# KiCad board panel_r0.1.kicad_pcb (continued)
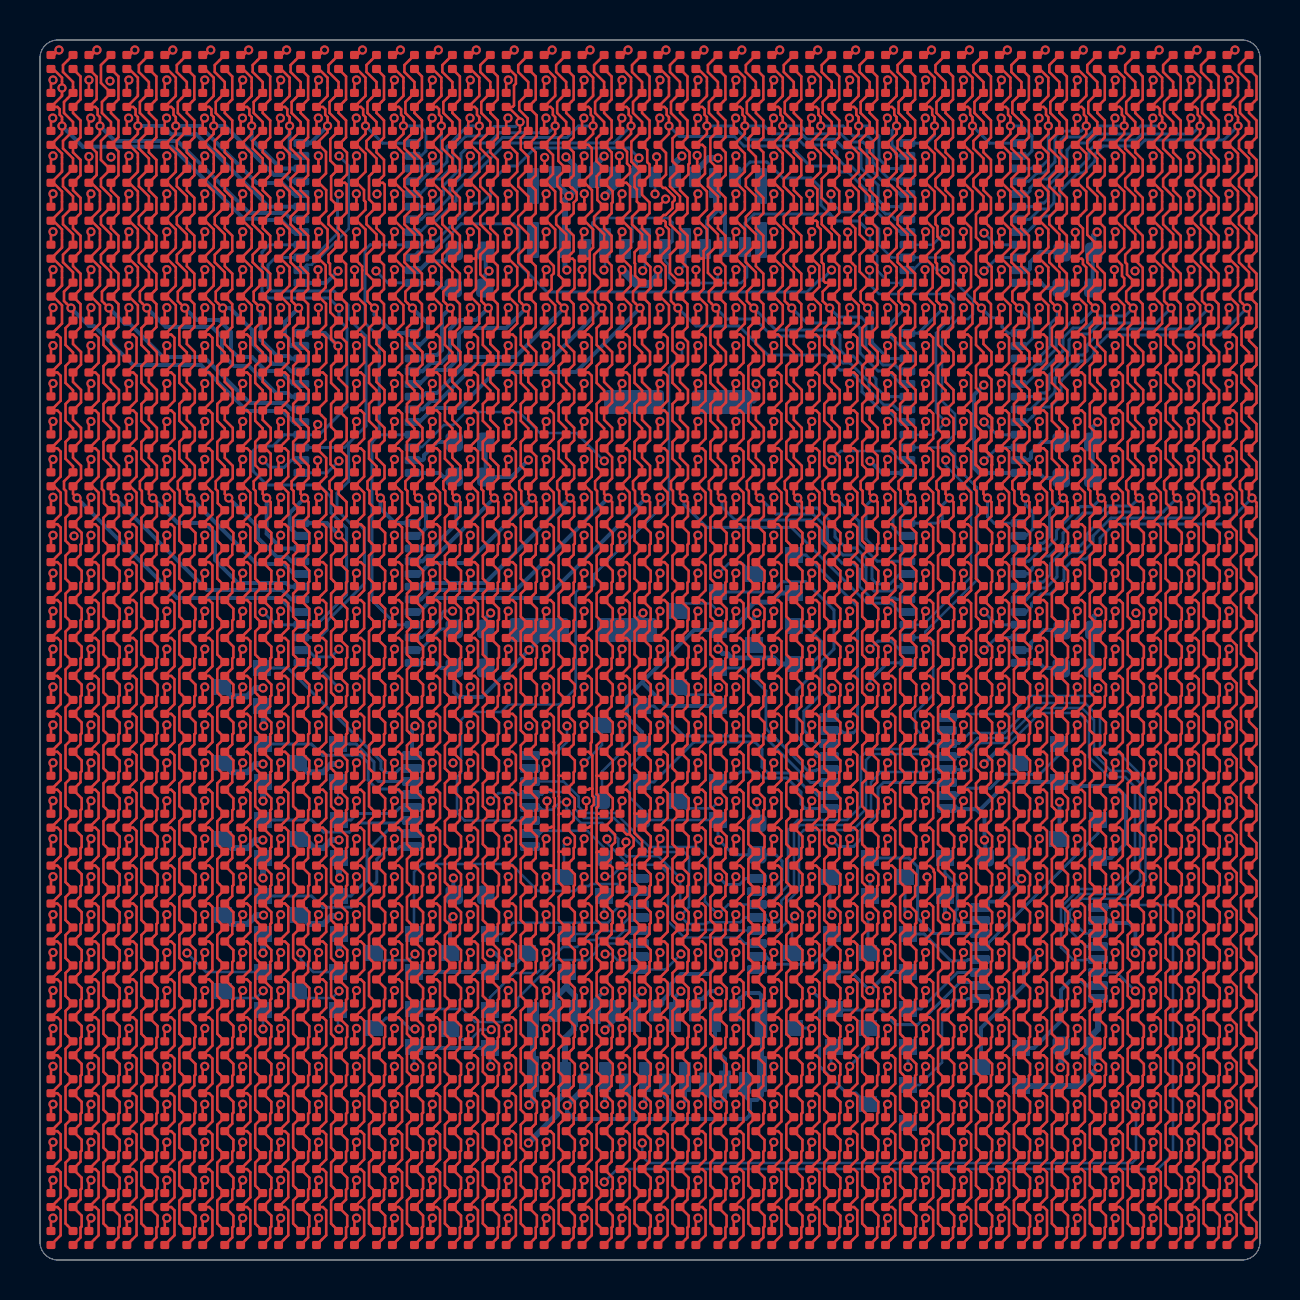
[diagram p0: board, top side]
## Placement (name value [footprint] x y rotation side) (continued)
D369  LED_ARGB  [led_rbag_1515_dense]  31.45 39.04 0 top
D370  LED_ARGB  [led_rbag_1515_dense]  33.35 39.04 0 top
D371  LED_ARGB  [led_rbag_1515_dense]  35.24 39.04 0 top
D372  LED_ARGB  [led_rbag_1515_dense]  37.14 39.04 0 top
D373  LED_ARGB  [led_rbag_1515_dense]  39.04 39.04 0 top
D374  LED_ARGB  [led_rbag_1515_dense]  40.93 39.04 0 top
D375  LED_ARGB  [led_rbag_1515_dense]  42.83 39.04 0 top
D376  LED_ARGB  [led_rbag_1515_dense]  44.73 39.04 0 top
D377  LED_ARGB  [led_rbag_1515_dense]  46.62 39.04 0 top
D378  LED_ARGB  [led_rbag_1515_dense]  48.52 39.04 0 top
D379  LED_ARGB  [led_rbag_1515_dense]  50.42 39.04 0 top
D380  LED_ARGB  [led_rbag_1515_dense]  52.31 39.04 0 top
D381  LED_ARGB  [led_rbag_1515_dense]  54.21 39.04 0 top
D382  LED_ARGB  [led_rbag_1515_dense]  56.11 39.04 0 top
D383  LED_ARGB  [led_rbag_1515_dense]  58 39.04 0 top
D384  LED_ARGB  [led_rbag_1515_dense]  59.9 39.04 0 top
D385  LED_ARGB  [led_rbag_1515_dense]  1.1 37.14 0 top
D386  LED_ARGB  [led_rbag_1515_dense]  3 37.14 0 top
D387  LED_ARGB  [led_rbag_1515_dense]  4.89 37.14 0 top
D388  LED_ARGB  [led_rbag_1515_dense]  6.79 37.14 0 top
D389  LED_ARGB  [led_rbag_1515_dense]  8.69 37.14 0 top
D390  LED_ARGB  [led_rbag_1515_dense]  10.58 37.14 0 top
D391  LED_ARGB  [led_rbag_1515_dense]  12.48 37.14 0 top
D392  LED_ARGB  [led_rbag_1515_dense]  14.38 37.14 0 top
D393  LED_ARGB  [led_rbag_1515_dense]  16.27 37.14 0 top
D394  LED_ARGB  [led_rbag_1515_dense]  18.17 37.14 0 top
D395  LED_ARGB  [led_rbag_1515_dense]  20.07 37.14 0 top
D396  LED_ARGB  [led_rbag_1515_dense]  21.96 37.14 0 top
D397  LED_ARGB  [led_rbag_1515_dense]  23.86 37.14 0 top
D398  LED_ARGB  [led_rbag_1515_dense]  25.76 37.14 0 top
D399  LED_ARGB  [led_rbag_1515_dense]  27.65 37.14 0 top
D400  LED_ARGB  [led_rbag_1515_dense]  29.55 37.14 0 top
D401  LED_ARGB  [led_rbag_1515_dense]  31.45 37.14 0 top
D402  LED_ARGB  [led_rbag_1515_dense]  33.35 37.14 0 top
D403  LED_ARGB  [led_rbag_1515_dense]  35.24 37.14 0 top
D404  LED_ARGB  [led_rbag_1515_dense]  37.14 37.14 0 top
D405  LED_ARGB  [led_rbag_1515_dense]  39.04 37.14 0 top
D406  LED_ARGB  [led_rbag_1515_dense]  40.93 37.14 0 top
D407  LED_ARGB  [led_rbag_1515_dense]  42.83 37.14 0 top
D408  LED_ARGB  [led_rbag_1515_dense]  44.73 37.14 0 top
D409  LED_ARGB  [led_rbag_1515_dense]  46.62 37.14 0 top
D410  LED_ARGB  [led_rbag_1515_dense]  48.52 37.14 0 top
D411  LED_ARGB  [led_rbag_1515_dense]  50.42 37.14 0 top
D412  LED_ARGB  [led_rbag_1515_dense]  52.31 37.14 0 top
D413  LED_ARGB  [led_rbag_1515_dense]  54.21 37.14 0 top
D414  LED_ARGB  [led_rbag_1515_dense]  56.11 37.14 0 top
D415  LED_ARGB  [led_rbag_1515_dense]  58 37.14 0 top
D416  LED_ARGB  [led_rbag_1515_dense]  59.9 37.14 0 top
D417  LED_ARGB  [led_rbag_1515_dense]  1.1 35.24 0 top
D418  LED_ARGB  [led_rbag_1515_dense]  3 35.24 0 top
D419  LED_ARGB  [led_rbag_1515_dense]  4.89 35.24 0 top
D420  LED_ARGB  [led_rbag_1515_dense]  6.79 35.24 0 top
D421  LED_ARGB  [led_rbag_1515_dense]  8.69 35.24 0 top
D422  LED_ARGB  [led_rbag_1515_dense]  10.58 35.24 0 top
D423  LED_ARGB  [led_rbag_1515_dense]  12.48 35.24 0 top
D424  LED_ARGB  [led_rbag_1515_dense]  14.38 35.24 0 top
D425  LED_ARGB  [led_rbag_1515_dense]  16.27 35.24 0 top
D426  LED_ARGB  [led_rbag_1515_dense]  18.17 35.24 0 top
D427  LED_ARGB  [led_rbag_1515_dense]  20.07 35.24 0 top
D428  LED_ARGB  [led_rbag_1515_dense]  21.96 35.24 0 top
D429  LED_ARGB  [led_rbag_1515_dense]  23.86 35.24 0 top
D430  LED_ARGB  [led_rbag_1515_dense]  25.76 35.24 0 top
D431  LED_ARGB  [led_rbag_1515_dense]  27.65 35.24 0 top
D432  LED_ARGB  [led_rbag_1515_dense]  29.55 35.24 0 top
D433  LED_ARGB  [led_rbag_1515_dense]  31.45 35.24 0 top
D434  LED_ARGB  [led_rbag_1515_dense]  33.35 35.24 0 top
D435  LED_ARGB  [led_rbag_1515_dense]  35.24 35.24 0 top
D436  LED_ARGB  [led_rbag_1515_dense]  37.14 35.24 0 top
D437  LED_ARGB  [led_rbag_1515_dense]  39.04 35.24 0 top
D438  LED_ARGB  [led_rbag_1515_dense]  40.93 35.24 0 top
D439  LED_ARGB  [led_rbag_1515_dense]  42.83 35.24 0 top
D440  LED_ARGB  [led_rbag_1515_dense]  44.73 35.24 0 top
D441  LED_ARGB  [led_rbag_1515_dense]  46.62 35.24 0 top
D442  LED_ARGB  [led_rbag_1515_dense]  48.52 35.24 0 top
D443  LED_ARGB  [led_rbag_1515_dense]  50.42 35.24 0 top
D444  LED_ARGB  [led_rbag_1515_dense]  52.31 35.24 0 top
D445  LED_ARGB  [led_rbag_1515_dense]  54.21 35.24 0 top
D446  LED_ARGB  [led_rbag_1515_dense]  56.11 35.24 0 top
D447  LED_ARGB  [led_rbag_1515_dense]  58 35.24 0 top
D448  LED_ARGB  [led_rbag_1515_dense]  59.9 35.24 0 top
D449  LED_ARGB  [led_rbag_1515_dense]  1.1 33.35 0 top
D450  LED_ARGB  [led_rbag_1515_dense]  3 33.35 0 top
D451  LED_ARGB  [led_rbag_1515_dense]  4.89 33.35 0 top
D452  LED_ARGB  [led_rbag_1515_dense]  6.79 33.35 0 top
D453  LED_ARGB  [led_rbag_1515_dense]  8.69 33.35 0 top
D454  LED_ARGB  [led_rbag_1515_dense]  10.58 33.35 0 top
D455  LED_ARGB  [led_rbag_1515_dense]  12.48 33.35 0 top
D456  LED_ARGB  [led_rbag_1515_dense]  14.38 33.35 0 top
D457  LED_ARGB  [led_rbag_1515_dense]  16.27 33.35 0 top
D458  LED_ARGB  [led_rbag_1515_dense]  18.17 33.35 0 top
D459  LED_ARGB  [led_rbag_1515_dense]  20.07 33.35 0 top
D460  LED_ARGB  [led_rbag_1515_dense]  21.96 33.35 0 top
D461  LED_ARGB  [led_rbag_1515_dense]  23.86 33.35 0 top
D462  LED_ARGB  [led_rbag_1515_dense]  25.76 33.35 0 top
D463  LED_ARGB  [led_rbag_1515_dense]  27.65 33.35 0 top
D464  LED_ARGB  [led_rbag_1515_dense]  29.55 33.35 0 top
D465  LED_ARGB  [led_rbag_1515_dense]  31.45 33.35 0 top
D466  LED_ARGB  [led_rbag_1515_dense]  33.35 33.35 0 top
D467  LED_ARGB  [led_rbag_1515_dense]  35.24 33.35 0 top
D468  LED_ARGB  [led_rbag_1515_dense]  37.14 33.35 0 top
D469  LED_ARGB  [led_rbag_1515_dense]  39.04 33.35 0 top
D470  LED_ARGB  [led_rbag_1515_dense]  40.93 33.35 0 top
D471  LED_ARGB  [led_rbag_1515_dense]  42.83 33.35 0 top
D472  LED_ARGB  [led_rbag_1515_dense]  44.73 33.35 0 top
D473  LED_ARGB  [led_rbag_1515_dense]  46.62 33.35 0 top
D474  LED_ARGB  [led_rbag_1515_dense]  48.52 33.35 0 top
D475  LED_ARGB  [led_rbag_1515_dense]  50.42 33.35 0 top
D476  LED_ARGB  [led_rbag_1515_dense]  52.31 33.35 0 top
D477  LED_ARGB  [led_rbag_1515_dense]  54.21 33.35 0 top
D478  LED_ARGB  [led_rbag_1515_dense]  56.11 33.35 0 top
D479  LED_ARGB  [led_rbag_1515_dense]  58 33.35 0 top
D480  LED_ARGB  [led_rbag_1515_dense]  59.9 33.35 0 top
D481  LED_ARGB  [led_rbag_1515_dense]  1.1 31.45 0 top
D482  LED_ARGB  [led_rbag_1515_dense]  3 31.45 0 top
D483  LED_ARGB  [led_rbag_1515_dense]  4.89 31.45 0 top
D484  LED_ARGB  [led_rbag_1515_dense]  6.79 31.45 0 top
D485  LED_ARGB  [led_rbag_1515_dense]  8.69 31.45 0 top
D486  LED_ARGB  [led_rbag_1515_dense]  10.58 31.45 0 top
D487  LED_ARGB  [led_rbag_1515_dense]  12.48 31.45 0 top
D488  LED_ARGB  [led_rbag_1515_dense]  14.38 31.45 0 top
D489  LED_ARGB  [led_rbag_1515_dense]  16.27 31.45 0 top
D490  LED_ARGB  [led_rbag_1515_dense]  18.17 31.45 0 top
D491  LED_ARGB  [led_rbag_1515_dense]  20.07 31.45 0 top
D492  LED_ARGB  [led_rbag_1515_dense]  21.96 31.45 0 top
D493  LED_ARGB  [led_rbag_1515_dense]  23.86 31.45 0 top
D494  LED_ARGB  [led_rbag_1515_dense]  25.76 31.45 0 top
D495  LED_ARGB  [led_rbag_1515_dense]  27.65 31.45 0 top
D496  LED_ARGB  [led_rbag_1515_dense]  29.55 31.45 0 top
D497  LED_ARGB  [led_rbag_1515_dense]  31.45 31.45 0 top
D498  LED_ARGB  [led_rbag_1515_dense]  33.35 31.45 0 top
D499  LED_ARGB  [led_rbag_1515_dense]  35.24 31.45 0 top
D500  LED_ARGB  [led_rbag_1515_dense]  37.14 31.45 0 top
D501  LED_ARGB  [led_rbag_1515_dense]  39.04 31.45 0 top
D502  LED_ARGB  [led_rbag_1515_dense]  40.93 31.45 0 top
D503  LED_ARGB  [led_rbag_1515_dense]  42.83 31.45 0 top
D504  LED_ARGB  [led_rbag_1515_dense]  44.73 31.45 0 top
D505  LED_ARGB  [led_rbag_1515_dense]  46.62 31.45 0 top
D506  LED_ARGB  [led_rbag_1515_dense]  48.52 31.45 0 top
D507  LED_ARGB  [led_rbag_1515_dense]  50.42 31.45 0 top
D508  LED_ARGB  [led_rbag_1515_dense]  52.31 31.45 0 top
D509  LED_ARGB  [led_rbag_1515_dense]  54.21 31.45 0 top
D510  LED_ARGB  [led_rbag_1515_dense]  56.11 31.45 0 top
D511  LED_ARGB  [led_rbag_1515_dense]  58 31.45 0 top
D512  LED_ARGB  [led_rbag_1515_dense]  59.9 31.45 0 top
D513  LED_ARGB  [led_rbag_1515_dense]  1.1 29.55 0 top
D514  LED_ARGB  [led_rbag_1515_dense]  3 29.55 0 top
D515  LED_ARGB  [led_rbag_1515_dense]  4.89 29.55 0 top
D516  LED_ARGB  [led_rbag_1515_dense]  6.79 29.55 0 top
D517  LED_ARGB  [led_rbag_1515_dense]  8.69 29.55 0 top
D518  LED_ARGB  [led_rbag_1515_dense]  10.58 29.55 0 top
D519  LED_ARGB  [led_rbag_1515_dense]  12.48 29.55 0 top
D520  LED_ARGB  [led_rbag_1515_dense]  14.38 29.55 0 top
D521  LED_ARGB  [led_rbag_1515_dense]  16.27 29.55 0 top
D522  LED_ARGB  [led_rbag_1515_dense]  18.17 29.55 0 top
D523  LED_ARGB  [led_rbag_1515_dense]  20.07 29.55 0 top
D524  LED_ARGB  [led_rbag_1515_dense]  21.96 29.55 0 top
D525  LED_ARGB  [led_rbag_1515_dense]  23.86 29.55 0 top
D526  LED_ARGB  [led_rbag_1515_dense]  25.76 29.55 0 top
D527  LED_ARGB  [led_rbag_1515_dense]  27.65 29.55 0 top
D528  LED_ARGB  [led_rbag_1515_dense]  29.55 29.55 0 top
D529  LED_ARGB  [led_rbag_1515_dense]  31.45 29.55 0 top
D530  LED_ARGB  [led_rbag_1515_dense]  33.35 29.55 0 top
D531  LED_ARGB  [led_rbag_1515_dense]  35.24 29.55 0 top
D532  LED_ARGB  [led_rbag_1515_dense]  37.14 29.55 0 top
D533  LED_ARGB  [led_rbag_1515_dense]  39.04 29.55 0 top
D534  LED_ARGB  [led_rbag_1515_dense]  40.93 29.55 0 top
D535  LED_ARGB  [led_rbag_1515_dense]  42.83 29.55 0 top
D536  LED_ARGB  [led_rbag_1515_dense]  44.73 29.55 0 top
D537  LED_ARGB  [led_rbag_1515_dense]  46.62 29.55 0 top
D538  LED_ARGB  [led_rbag_1515_dense]  48.52 29.55 0 top
D539  LED_ARGB  [led_rbag_1515_dense]  50.42 29.55 0 top
D540  LED_ARGB  [led_rbag_1515_dense]  52.31 29.55 0 top
D541  LED_ARGB  [led_rbag_1515_dense]  54.21 29.55 0 top
D542  LED_ARGB  [led_rbag_1515_dense]  56.11 29.55 0 top
D543  LED_ARGB  [led_rbag_1515_dense]  58 29.55 0 top
D544  LED_ARGB  [led_rbag_1515_dense]  59.9 29.55 0 top
D545  LED_ARGB  [led_rbag_1515_dense]  1.1 27.65 0 top
D546  LED_ARGB  [led_rbag_1515_dense]  3 27.65 0 top
D547  LED_ARGB  [led_rbag_1515_dense]  4.89 27.65 0 top
D548  LED_ARGB  [led_rbag_1515_dense]  6.79 27.65 0 top
D549  LED_ARGB  [led_rbag_1515_dense]  8.69 27.65 0 top
D550  LED_ARGB  [led_rbag_1515_dense]  10.58 27.65 0 top
D551  LED_ARGB  [led_rbag_1515_dense]  12.48 27.65 0 top
D552  LED_ARGB  [led_rbag_1515_dense]  14.38 27.65 0 top
D553  LED_ARGB  [led_rbag_1515_dense]  16.27 27.65 0 top
D554  LED_ARGB  [led_rbag_1515_dense]  18.17 27.65 0 top
D555  LED_ARGB  [led_rbag_1515_dense]  20.07 27.65 0 top
D556  LED_ARGB  [led_rbag_1515_dense]  21.96 27.65 0 top
D557  LED_ARGB  [led_rbag_1515_dense]  23.86 27.65 0 top
D558  LED_ARGB  [led_rbag_1515_dense]  25.76 27.65 0 top
D559  LED_ARGB  [led_rbag_1515_dense]  27.65 27.65 0 top
D560  LED_ARGB  [led_rbag_1515_dense]  29.55 27.65 0 top
D561  LED_ARGB  [led_rbag_1515_dense]  31.45 27.65 0 top
D562  LED_ARGB  [led_rbag_1515_dense]  33.35 27.65 0 top
D563  LED_ARGB  [led_rbag_1515_dense]  35.24 27.65 0 top
D564  LED_ARGB  [led_rbag_1515_dense]  37.14 27.65 0 top
D565  LED_ARGB  [led_rbag_1515_dense]  39.04 27.65 0 top
D566  LED_ARGB  [led_rbag_1515_dense]  40.93 27.65 0 top
D567  LED_ARGB  [led_rbag_1515_dense]  42.83 27.65 0 top
D568  LED_ARGB  [led_rbag_1515_dense]  44.73 27.65 0 top
D569  LED_ARGB  [led_rbag_1515_dense]  46.62 27.65 0 top
D570  LED_ARGB  [led_rbag_1515_dense]  48.52 27.65 0 top
D571  LED_ARGB  [led_rbag_1515_dense]  50.42 27.65 0 top
D572  LED_ARGB  [led_rbag_1515_dense]  52.31 27.65 0 top
D573  LED_ARGB  [led_rbag_1515_dense]  54.21 27.65 0 top
D574  LED_ARGB  [led_rbag_1515_dense]  56.11 27.65 0 top
D575  LED_ARGB  [led_rbag_1515_dense]  58 27.65 0 top
D576  LED_ARGB  [led_rbag_1515_dense]  59.9 27.65 0 top
D577  LED_ARGB  [led_rbag_1515_dense]  1.1 25.76 0 top
D578  LED_ARGB  [led_rbag_1515_dense]  3 25.76 0 top
D579  LED_ARGB  [led_rbag_1515_dense]  4.89 25.76 0 top
D580  LED_ARGB  [led_rbag_1515_dense]  6.79 25.76 0 top
D581  LED_ARGB  [led_rbag_1515_dense]  8.69 25.76 0 top
D582  LED_ARGB  [led_rbag_1515_dense]  10.58 25.76 0 top
D583  LED_ARGB  [led_rbag_1515_dense]  12.48 25.76 0 top
D584  LED_ARGB  [led_rbag_1515_dense]  14.38 25.76 0 top
D585  LED_ARGB  [led_rbag_1515_dense]  16.27 25.76 0 top
D586  LED_ARGB  [led_rbag_1515_dense]  18.17 25.76 0 top
D587  LED_ARGB  [led_rbag_1515_dense]  20.07 25.76 0 top
D588  LED_ARGB  [led_rbag_1515_dense]  21.96 25.76 0 top
D589  LED_ARGB  [led_rbag_1515_dense]  23.86 25.76 0 top
D590  LED_ARGB  [led_rbag_1515_dense]  25.76 25.76 0 top
D591  LED_ARGB  [led_rbag_1515_dense]  27.65 25.76 0 top
D592  LED_ARGB  [led_rbag_1515_dense]  29.55 25.76 0 top
D593  LED_ARGB  [led_rbag_1515_dense]  31.45 25.76 0 top
D594  LED_ARGB  [led_rbag_1515_dense]  33.35 25.76 0 top
D595  LED_ARGB  [led_rbag_1515_dense]  35.24 25.76 0 top
D596  LED_ARGB  [led_rbag_1515_dense]  37.14 25.76 0 top
D597  LED_ARGB  [led_rbag_1515_dense]  39.04 25.76 0 top
D598  LED_ARGB  [led_rbag_1515_dense]  40.93 25.76 0 top
D599  LED_ARGB  [led_rbag_1515_dense]  42.83 25.76 0 top
D600  LED_ARGB  [led_rbag_1515_dense]  44.73 25.76 0 top
D601  LED_ARGB  [led_rbag_1515_dense]  46.62 25.76 0 top
D602  LED_ARGB  [led_rbag_1515_dense]  48.52 25.76 0 top
D603  LED_ARGB  [led_rbag_1515_dense]  50.42 25.76 0 top
D604  LED_ARGB  [led_rbag_1515_dense]  52.31 25.76 0 top
D605  LED_ARGB  [led_rbag_1515_dense]  54.21 25.76 0 top
D606  LED_ARGB  [led_rbag_1515_dense]  56.11 25.76 0 top
D607  LED_ARGB  [led_rbag_1515_dense]  58 25.76 0 top
D608  LED_ARGB  [led_rbag_1515_dense]  59.9 25.76 0 top
D609  LED_ARGB  [led_rbag_1515_dense]  1.1 23.86 0 top
D610  LED_ARGB  [led_rbag_1515_dense]  3 23.86 0 top
D611  LED_ARGB  [led_rbag_1515_dense]  4.89 23.86 0 top
D612  LED_ARGB  [led_rbag_1515_dense]  6.79 23.86 0 top
D613  LED_ARGB  [led_rbag_1515_dense]  8.69 23.86 0 top
D614  LED_ARGB  [led_rbag_1515_dense]  10.58 23.86 0 top
D615  LED_ARGB  [led_rbag_1515_dense]  12.48 23.86 0 top
D616  LED_ARGB  [led_rbag_1515_dense]  14.38 23.86 0 top
D617  LED_ARGB  [led_rbag_1515_dense]  16.27 23.86 0 top
D618  LED_ARGB  [led_rbag_1515_dense]  18.17 23.86 0 top
D619  LED_ARGB  [led_rbag_1515_dense]  20.07 23.86 0 top
D620  LED_ARGB  [led_rbag_1515_dense]  21.96 23.86 0 top
D621  LED_ARGB  [led_rbag_1515_dense]  23.86 23.86 0 top
D622  LED_ARGB  [led_rbag_1515_dense]  25.76 23.86 0 top
D623  LED_ARGB  [led_rbag_1515_dense]  27.65 23.86 0 top
D624  LED_ARGB  [led_rbag_1515_dense]  29.55 23.86 0 top
D625  LED_ARGB  [led_rbag_1515_dense]  31.45 23.86 0 top
D626  LED_ARGB  [led_rbag_1515_dense]  33.35 23.86 0 top
D627  LED_ARGB  [led_rbag_1515_dense]  35.24 23.86 0 top
D628  LED_ARGB  [led_rbag_1515_dense]  37.14 23.86 0 top
D629  LED_ARGB  [led_rbag_1515_dense]  39.04 23.86 0 top
D630  LED_ARGB  [led_rbag_1515_dense]  40.93 23.86 0 top
D631  LED_ARGB  [led_rbag_1515_dense]  42.83 23.86 0 top
D632  LED_ARGB  [led_rbag_1515_dense]  44.73 23.86 0 top
D633  LED_ARGB  [led_rbag_1515_dense]  46.62 23.86 0 top
D634  LED_ARGB  [led_rbag_1515_dense]  48.52 23.86 0 top
D635  LED_ARGB  [led_rbag_1515_dense]  50.42 23.86 0 top
D636  LED_ARGB  [led_rbag_1515_dense]  52.31 23.86 0 top
D637  LED_ARGB  [led_rbag_1515_dense]  54.21 23.86 0 top
D638  LED_ARGB  [led_rbag_1515_dense]  56.11 23.86 0 top
D639  LED_ARGB  [led_rbag_1515_dense]  58 23.86 0 top
D640  LED_ARGB  [led_rbag_1515_dense]  59.9 23.86 0 top
D641  LED_ARGB  [led_rbag_1515_dense]  1.1 21.96 0 top
D642  LED_ARGB  [led_rbag_1515_dense]  3 21.96 0 top
D643  LED_ARGB  [led_rbag_1515_dense]  4.89 21.96 0 top
D644  LED_ARGB  [led_rbag_1515_dense]  6.79 21.96 0 top
D645  LED_ARGB  [led_rbag_1515_dense]  8.69 21.96 0 top
D646  LED_ARGB  [led_rbag_1515_dense]  10.58 21.96 0 top
D647  LED_ARGB  [led_rbag_1515_dense]  12.48 21.96 0 top
D648  LED_ARGB  [led_rbag_1515_dense]  14.38 21.96 0 top
D649  LED_ARGB  [led_rbag_1515_dense]  16.27 21.96 0 top
D650  LED_ARGB  [led_rbag_1515_dense]  18.17 21.96 0 top
D651  LED_ARGB  [led_rbag_1515_dense]  20.07 21.96 0 top
D652  LED_ARGB  [led_rbag_1515_dense]  21.96 21.96 0 top
D653  LED_ARGB  [led_rbag_1515_dense]  23.86 21.96 0 top
D654  LED_ARGB  [led_rbag_1515_dense]  25.76 21.96 0 top
D655  LED_ARGB  [led_rbag_1515_dense]  27.65 21.96 0 top
D656  LED_ARGB  [led_rbag_1515_dense]  29.55 21.96 0 top
D657  LED_ARGB  [led_rbag_1515_dense]  31.45 21.96 0 top
D658  LED_ARGB  [led_rbag_1515_dense]  33.35 21.96 0 top
D659  LED_ARGB  [led_rbag_1515_dense]  35.24 21.96 0 top
D660  LED_ARGB  [led_rbag_1515_dense]  37.14 21.96 0 top
D661  LED_ARGB  [led_rbag_1515_dense]  39.04 21.96 0 top
D662  LED_ARGB  [led_rbag_1515_dense]  40.93 21.96 0 top
D663  LED_ARGB  [led_rbag_1515_dense]  42.83 21.96 0 top
D664  LED_ARGB  [led_rbag_1515_dense]  44.73 21.96 0 top
D665  LED_ARGB  [led_rbag_1515_dense]  46.62 21.96 0 top
D666  LED_ARGB  [led_rbag_1515_dense]  48.52 21.96 0 top
D667  LED_ARGB  [led_rbag_1515_dense]  50.42 21.96 0 top
D668  LED_ARGB  [led_rbag_1515_dense]  52.31 21.96 0 top
D669  LED_ARGB  [led_rbag_1515_dense]  54.21 21.96 0 top
D670  LED_ARGB  [led_rbag_1515_dense]  56.11 21.96 0 top
D671  LED_ARGB  [led_rbag_1515_dense]  58 21.96 0 top
D672  LED_ARGB  [led_rbag_1515_dense]  59.9 21.96 0 top
D673  LED_ARGB  [led_rbag_1515_dense]  1.1 20.07 0 top
D674  LED_ARGB  [led_rbag_1515_dense]  3 20.07 0 top
D675  LED_ARGB  [led_rbag_1515_dense]  4.89 20.07 0 top
D676  LED_ARGB  [led_rbag_1515_dense]  6.79 20.07 0 top
D677  LED_ARGB  [led_rbag_1515_dense]  8.69 20.07 0 top
D678  LED_ARGB  [led_rbag_1515_dense]  10.58 20.07 0 top
D679  LED_ARGB  [led_rbag_1515_dense]  12.48 20.07 0 top
D680  LED_ARGB  [led_rbag_1515_dense]  14.38 20.07 0 top
D681  LED_ARGB  [led_rbag_1515_dense]  16.27 20.07 0 top
D682  LED_ARGB  [led_rbag_1515_dense]  18.17 20.07 0 top
D683  LED_ARGB  [led_rbag_1515_dense]  20.07 20.07 0 top
D684  LED_ARGB  [led_rbag_1515_dense]  21.96 20.07 0 top
D685  LED_ARGB  [led_rbag_1515_dense]  23.86 20.07 0 top
D686  LED_ARGB  [led_rbag_1515_dense]  25.76 20.07 0 top
D687  LED_ARGB  [led_rbag_1515_dense]  27.65 20.07 0 top
D688  LED_ARGB  [led_rbag_1515_dense]  29.55 20.07 0 top
D689  LED_ARGB  [led_rbag_1515_dense]  31.45 20.07 0 top
D690  LED_ARGB  [led_rbag_1515_dense]  33.35 20.07 0 top
D691  LED_ARGB  [led_rbag_1515_dense]  35.24 20.07 0 top
D692  LED_ARGB  [led_rbag_1515_dense]  37.14 20.07 0 top
D693  LED_ARGB  [led_rbag_1515_dense]  39.04 20.07 0 top
D694  LED_ARGB  [led_rbag_1515_dense]  40.93 20.07 0 top
D695  LED_ARGB  [led_rbag_1515_dense]  42.83 20.07 0 top
D696  LED_ARGB  [led_rbag_1515_dense]  44.73 20.07 0 top
D697  LED_ARGB  [led_rbag_1515_dense]  46.62 20.07 0 top
D698  LED_ARGB  [led_rbag_1515_dense]  48.52 20.07 0 top
D699  LED_ARGB  [led_rbag_1515_dense]  50.42 20.07 0 top
D700  LED_ARGB  [led_rbag_1515_dense]  52.31 20.07 0 top
D701  LED_ARGB  [led_rbag_1515_dense]  54.21 20.07 0 top
D702  LED_ARGB  [led_rbag_1515_dense]  56.11 20.07 0 top
D703  LED_ARGB  [led_rbag_1515_dense]  58 20.07 0 top
D704  LED_ARGB  [led_rbag_1515_dense]  59.9 20.07 0 top
D705  LED_ARGB  [led_rbag_1515_dense]  1.1 18.17 0 top
D706  LED_ARGB  [led_rbag_1515_dense]  3 18.17 0 top
D707  LED_ARGB  [led_rbag_1515_dense]  4.89 18.17 0 top
D708  LED_ARGB  [led_rbag_1515_dense]  6.79 18.17 0 top
D709  LED_ARGB  [led_rbag_1515_dense]  8.69 18.17 0 top
D710  LED_ARGB  [led_rbag_1515_dense]  10.58 18.17 0 top
D711  LED_ARGB  [led_rbag_1515_dense]  12.48 18.17 0 top
D712  LED_ARGB  [led_rbag_1515_dense]  14.38 18.17 0 top
D713  LED_ARGB  [led_rbag_1515_dense]  16.27 18.17 0 top
D714  LED_ARGB  [led_rbag_1515_dense]  18.17 18.17 0 top
D715  LED_ARGB  [led_rbag_1515_dense]  20.07 18.17 0 top
D716  LED_ARGB  [led_rbag_1515_dense]  21.96 18.17 0 top
D717  LED_ARGB  [led_rbag_1515_dense]  23.86 18.17 0 top
D718  LED_ARGB  [led_rbag_1515_dense]  25.76 18.17 0 top
D719  LED_ARGB  [led_rbag_1515_dense]  27.65 18.17 0 top
D720  LED_ARGB  [led_rbag_1515_dense]  29.55 18.17 0 top
D721  LED_ARGB  [led_rbag_1515_dense]  31.45 18.17 0 top
D722  LED_ARGB  [led_rbag_1515_dense]  33.35 18.17 0 top
D723  LED_ARGB  [led_rbag_1515_dense]  35.24 18.17 0 top
D724  LED_ARGB  [led_rbag_1515_dense]  37.14 18.17 0 top
D725  LED_ARGB  [led_rbag_1515_dense]  39.04 18.17 0 top
D726  LED_ARGB  [led_rbag_1515_dense]  40.93 18.17 0 top
D727  LED_ARGB  [led_rbag_1515_dense]  42.83 18.17 0 top
D728  LED_ARGB  [led_rbag_1515_dense]  44.73 18.17 0 top
D729  LED_ARGB  [led_rbag_1515_dense]  46.62 18.17 0 top
D730  LED_ARGB  [led_rbag_1515_dense]  48.52 18.17 0 top
D731  LED_ARGB  [led_rbag_1515_dense]  50.42 18.17 0 top
D732  LED_ARGB  [led_rbag_1515_dense]  52.31 18.17 0 top
D733  LED_ARGB  [led_rbag_1515_dense]  54.21 18.17 0 top
D734  LED_ARGB  [led_rbag_1515_dense]  56.11 18.17 0 top
D735  LED_ARGB  [led_rbag_1515_dense]  58 18.17 0 top
D736  LED_ARGB  [led_rbag_1515_dense]  59.9 18.17 0 top
D737  LED_ARGB  [led_rbag_1515_dense]  1.1 16.27 0 top
D738  LED_ARGB  [led_rbag_1515_dense]  3 16.27 0 top
D739  LED_ARGB  [led_rbag_1515_dense]  4.89 16.27 0 top
D740  LED_ARGB  [led_rbag_1515_dense]  6.79 16.27 0 top
D741  LED_ARGB  [led_rbag_1515_dense]  8.69 16.27 0 top
D742  LED_ARGB  [led_rbag_1515_dense]  10.58 16.27 0 top
D743  LED_ARGB  [led_rbag_1515_dense]  12.48 16.27 0 top
D744  LED_ARGB  [led_rbag_1515_dense]  14.38 16.27 0 top
D745  LED_ARGB  [led_rbag_1515_dense]  16.27 16.27 0 top
D746  LED_ARGB  [led_rbag_1515_dense]  18.17 16.27 0 top
D747  LED_ARGB  [led_rbag_1515_dense]  20.07 16.27 0 top
D748  LED_ARGB  [led_rbag_1515_dense]  21.96 16.27 0 top
D749  LED_ARGB  [led_rbag_1515_dense]  23.86 16.27 0 top
D750  LED_ARGB  [led_rbag_1515_dense]  25.76 16.27 0 top
D751  LED_ARGB  [led_rbag_1515_dense]  27.65 16.27 0 top
D752  LED_ARGB  [led_rbag_1515_dense]  29.55 16.27 0 top
D753  LED_ARGB  [led_rbag_1515_dense]  31.45 16.27 0 top
D754  LED_ARGB  [led_rbag_1515_dense]  33.35 16.27 0 top
D755  LED_ARGB  [led_rbag_1515_dense]  35.24 16.27 0 top
D756  LED_ARGB  [led_rbag_1515_dense]  37.14 16.27 0 top
D757  LED_ARGB  [led_rbag_1515_dense]  39.04 16.27 0 top
D758  LED_ARGB  [led_rbag_1515_dense]  40.93 16.27 0 top
D759  LED_ARGB  [led_rbag_1515_dense]  42.83 16.27 0 top
D760  LED_ARGB  [led_rbag_1515_dense]  44.73 16.27 0 top
D761  LED_ARGB  [led_rbag_1515_dense]  46.62 16.27 0 top
D762  LED_ARGB  [led_rbag_1515_dense]  48.52 16.27 0 top
D763  LED_ARGB  [led_rbag_1515_dense]  50.42 16.27 0 top
D764  LED_ARGB  [led_rbag_1515_dense]  52.31 16.27 0 top
D765  LED_ARGB  [led_rbag_1515_dense]  54.21 16.27 0 top
D766  LED_ARGB  [led_rbag_1515_dense]  56.11 16.27 0 top
D767  LED_ARGB  [led_rbag_1515_dense]  58 16.27 0 top
D768  LED_ARGB  [led_rbag_1515_dense]  59.9 16.27 0 top
D769  LED_ARGB  [led_rbag_1515_dense]  1.1 14.38 0 top
D770  LED_ARGB  [led_rbag_1515_dense]  3 14.38 0 top
D771  LED_ARGB  [led_rbag_1515_dense]  4.89 14.38 0 top
D772  LED_ARGB  [led_rbag_1515_dense]  6.79 14.38 0 top
D773  LED_ARGB  [led_rbag_1515_dense]  8.69 14.38 0 top
D774  LED_ARGB  [led_rbag_1515_dense]  10.58 14.38 0 top
D775  LED_ARGB  [led_rbag_1515_dense]  12.48 14.38 0 top
D776  LED_ARGB  [led_rbag_1515_dense]  14.38 14.38 0 top
D777  LED_ARGB  [led_rbag_1515_dense]  16.27 14.38 0 top
D778  LED_ARGB  [led_rbag_1515_dense]  18.17 14.38 0 top
D779  LED_ARGB  [led_rbag_1515_dense]  20.07 14.38 0 top
D780  LED_ARGB  [led_rbag_1515_dense]  21.96 14.38 0 top
D781  LED_ARGB  [led_rbag_1515_dense]  23.86 14.38 0 top
D782  LED_ARGB  [led_rbag_1515_dense]  25.76 14.38 0 top
D783  LED_ARGB  [led_rbag_1515_dense]  27.65 14.38 0 top
D784  LED_ARGB  [led_rbag_1515_dense]  29.55 14.38 0 top
D785  LED_ARGB  [led_rbag_1515_dense]  31.45 14.38 0 top
D786  LED_ARGB  [led_rbag_1515_dense]  33.35 14.38 0 top
D787  LED_ARGB  [led_rbag_1515_dense]  35.24 14.38 0 top
D788  LED_ARGB  [led_rbag_1515_dense]  37.14 14.38 0 top
D789  LED_ARGB  [led_rbag_1515_dense]  39.04 14.38 0 top
D790  LED_ARGB  [led_rbag_1515_dense]  40.93 14.38 0 top
D791  LED_ARGB  [led_rbag_1515_dense]  42.83 14.38 0 top
D792  LED_ARGB  [led_rbag_1515_dense]  44.73 14.38 0 top
D793  LED_ARGB  [led_rbag_1515_dense]  46.62 14.38 0 top
D794  LED_ARGB  [led_rbag_1515_dense]  48.52 14.38 0 top
D795  LED_ARGB  [led_rbag_1515_dense]  50.42 14.38 0 top
D796  LED_ARGB  [led_rbag_1515_dense]  52.31 14.38 0 top
D797  LED_ARGB  [led_rbag_1515_dense]  54.21 14.38 0 top
D798  LED_ARGB  [led_rbag_1515_dense]  56.11 14.38 0 top
D799  LED_ARGB  [led_rbag_1515_dense]  58 14.38 0 top
D800  LED_ARGB  [led_rbag_1515_dense]  59.9 14.38 0 top
D801  LED_ARGB  [led_rbag_1515_dense]  1.1 12.48 0 top
D802  LED_ARGB  [led_rbag_1515_dense]  3 12.48 0 top
D803  LED_ARGB  [led_rbag_1515_dense]  4.89 12.48 0 top
D804  LED_ARGB  [led_rbag_1515_dense]  6.79 12.48 0 top
D805  LED_ARGB  [led_rbag_1515_dense]  8.69 12.48 0 top
D806  LED_ARGB  [led_rbag_1515_dense]  10.58 12.48 0 top
D807  LED_ARGB  [led_rbag_1515_dense]  12.48 12.48 0 top
D808  LED_ARGB  [led_rbag_1515_dense]  14.38 12.48 0 top
D809  LED_ARGB  [led_rbag_1515_dense]  16.27 12.48 0 top
D810  LED_ARGB  [led_rbag_1515_dense]  18.17 12.48 0 top
D811  LED_ARGB  [led_rbag_1515_dense]  20.07 12.48 0 top
D812  LED_ARGB  [led_rbag_1515_dense]  21.96 12.48 0 top
D813  LED_ARGB  [led_rbag_1515_dense]  23.86 12.48 0 top
D814  LED_ARGB  [led_rbag_1515_dense]  25.76 12.48 0 top
D815  LED_ARGB  [led_rbag_1515_dense]  27.65 12.48 0 top
D816  LED_ARGB  [led_rbag_1515_dense]  29.55 12.48 0 top
D817  LED_ARGB  [led_rbag_1515_dense]  31.45 12.48 0 top
D818  LED_ARGB  [led_rbag_1515_dense]  33.35 12.48 0 top
D819  LED_ARGB  [led_rbag_1515_dense]  35.24 12.48 0 top
D820  LED_ARGB  [led_rbag_1515_dense]  37.14 12.48 0 top
D821  LED_ARGB  [led_rbag_1515_dense]  39.04 12.48 0 top
D822  LED_ARGB  [led_rbag_1515_dense]  40.93 12.48 0 top
D823  LED_ARGB  [led_rbag_1515_dense]  42.83 12.48 0 top
D824  LED_ARGB  [led_rbag_1515_dense]  44.73 12.48 0 top
D825  LED_ARGB  [led_rbag_1515_dense]  46.62 12.48 0 top
D826  LED_ARGB  [led_rbag_1515_dense]  48.52 12.48 0 top
D827  LED_ARGB  [led_rbag_1515_dense]  50.42 12.48 0 top
D828  LED_ARGB  [led_rbag_1515_dense]  52.31 12.48 0 top
D829  LED_ARGB  [led_rbag_1515_dense]  54.21 12.48 0 top
D830  LED_ARGB  [led_rbag_1515_dense]  56.11 12.48 0 top
D831  LED_ARGB  [led_rbag_1515_dense]  58 12.48 0 top
D832  LED_ARGB  [led_rbag_1515_dense]  59.9 12.48 0 top
D833  LED_ARGB  [led_rbag_1515_dense]  1.1 10.58 0 top
D834  LED_ARGB  [led_rbag_1515_dense]  3 10.58 0 top
D835  LED_ARGB  [led_rbag_1515_dense]  4.89 10.58 0 top
D836  LED_ARGB  [led_rbag_1515_dense]  6.79 10.58 0 top
D837  LED_ARGB  [led_rbag_1515_dense]  8.69 10.58 0 top
D838  LED_ARGB  [led_rbag_1515_dense]  10.58 10.58 0 top
D839  LED_ARGB  [led_rbag_1515_dense]  12.48 10.58 0 top
D840  LED_ARGB  [led_rbag_1515_dense]  14.38 10.58 0 top
D841  LED_ARGB  [led_rbag_1515_dense]  16.27 10.58 0 top
D842  LED_ARGB  [led_rbag_1515_dense]  18.17 10.58 0 top
D843  LED_ARGB  [led_rbag_1515_dense]  20.07 10.58 0 top
D844  LED_ARGB  [led_rbag_1515_dense]  21.96 10.58 0 top
D845  LED_ARGB  [led_rbag_1515_dense]  23.86 10.58 0 top
D846  LED_ARGB  [led_rbag_1515_dense]  25.76 10.58 0 top
D847  LED_ARGB  [led_rbag_1515_dense]  27.65 10.58 0 top
D848  LED_ARGB  [led_rbag_1515_dense]  29.55 10.58 0 top
D849  LED_ARGB  [led_rbag_1515_dense]  31.45 10.58 0 top
D850  LED_ARGB  [led_rbag_1515_dense]  33.35 10.58 0 top
D851  LED_ARGB  [led_rbag_1515_dense]  35.24 10.58 0 top
D852  LED_ARGB  [led_rbag_1515_dense]  37.14 10.58 0 top
D853  LED_ARGB  [led_rbag_1515_dense]  39.04 10.58 0 top
D854  LED_ARGB  [led_rbag_1515_dense]  40.93 10.58 0 top
D855  LED_ARGB  [led_rbag_1515_dense]  42.83 10.58 0 top
D856  LED_ARGB  [led_rbag_1515_dense]  44.73 10.58 0 top
D857  LED_ARGB  [led_rbag_1515_dense]  46.62 10.58 0 top
D858  LED_ARGB  [led_rbag_1515_dense]  48.52 10.58 0 top
D859  LED_ARGB  [led_rbag_1515_dense]  50.42 10.58 0 top
D860  LED_ARGB  [led_rbag_1515_dense]  52.31 10.58 0 top
D861  LED_ARGB  [led_rbag_1515_dense]  54.21 10.58 0 top
D862  LED_ARGB  [led_rbag_1515_dense]  56.11 10.58 0 top
D863  LED_ARGB  [led_rbag_1515_dense]  58 10.58 0 top
D864  LED_ARGB  [led_rbag_1515_dense]  59.9 10.58 0 top
D865  LED_ARGB  [led_rbag_1515_dense]  1.1 8.69 0 top
D866  LED_ARGB  [led_rbag_1515_dense]  3 8.69 0 top
D867  LED_ARGB  [led_rbag_1515_dense]  4.89 8.69 0 top
D868  LED_ARGB  [led_rbag_1515_dense]  6.79 8.69 0 top
D869  LED_ARGB  [led_rbag_1515_dense]  8.69 8.69 0 top
